# Altium PCB SDR_V21.PcbDoc (part 1 of 4) (continued)
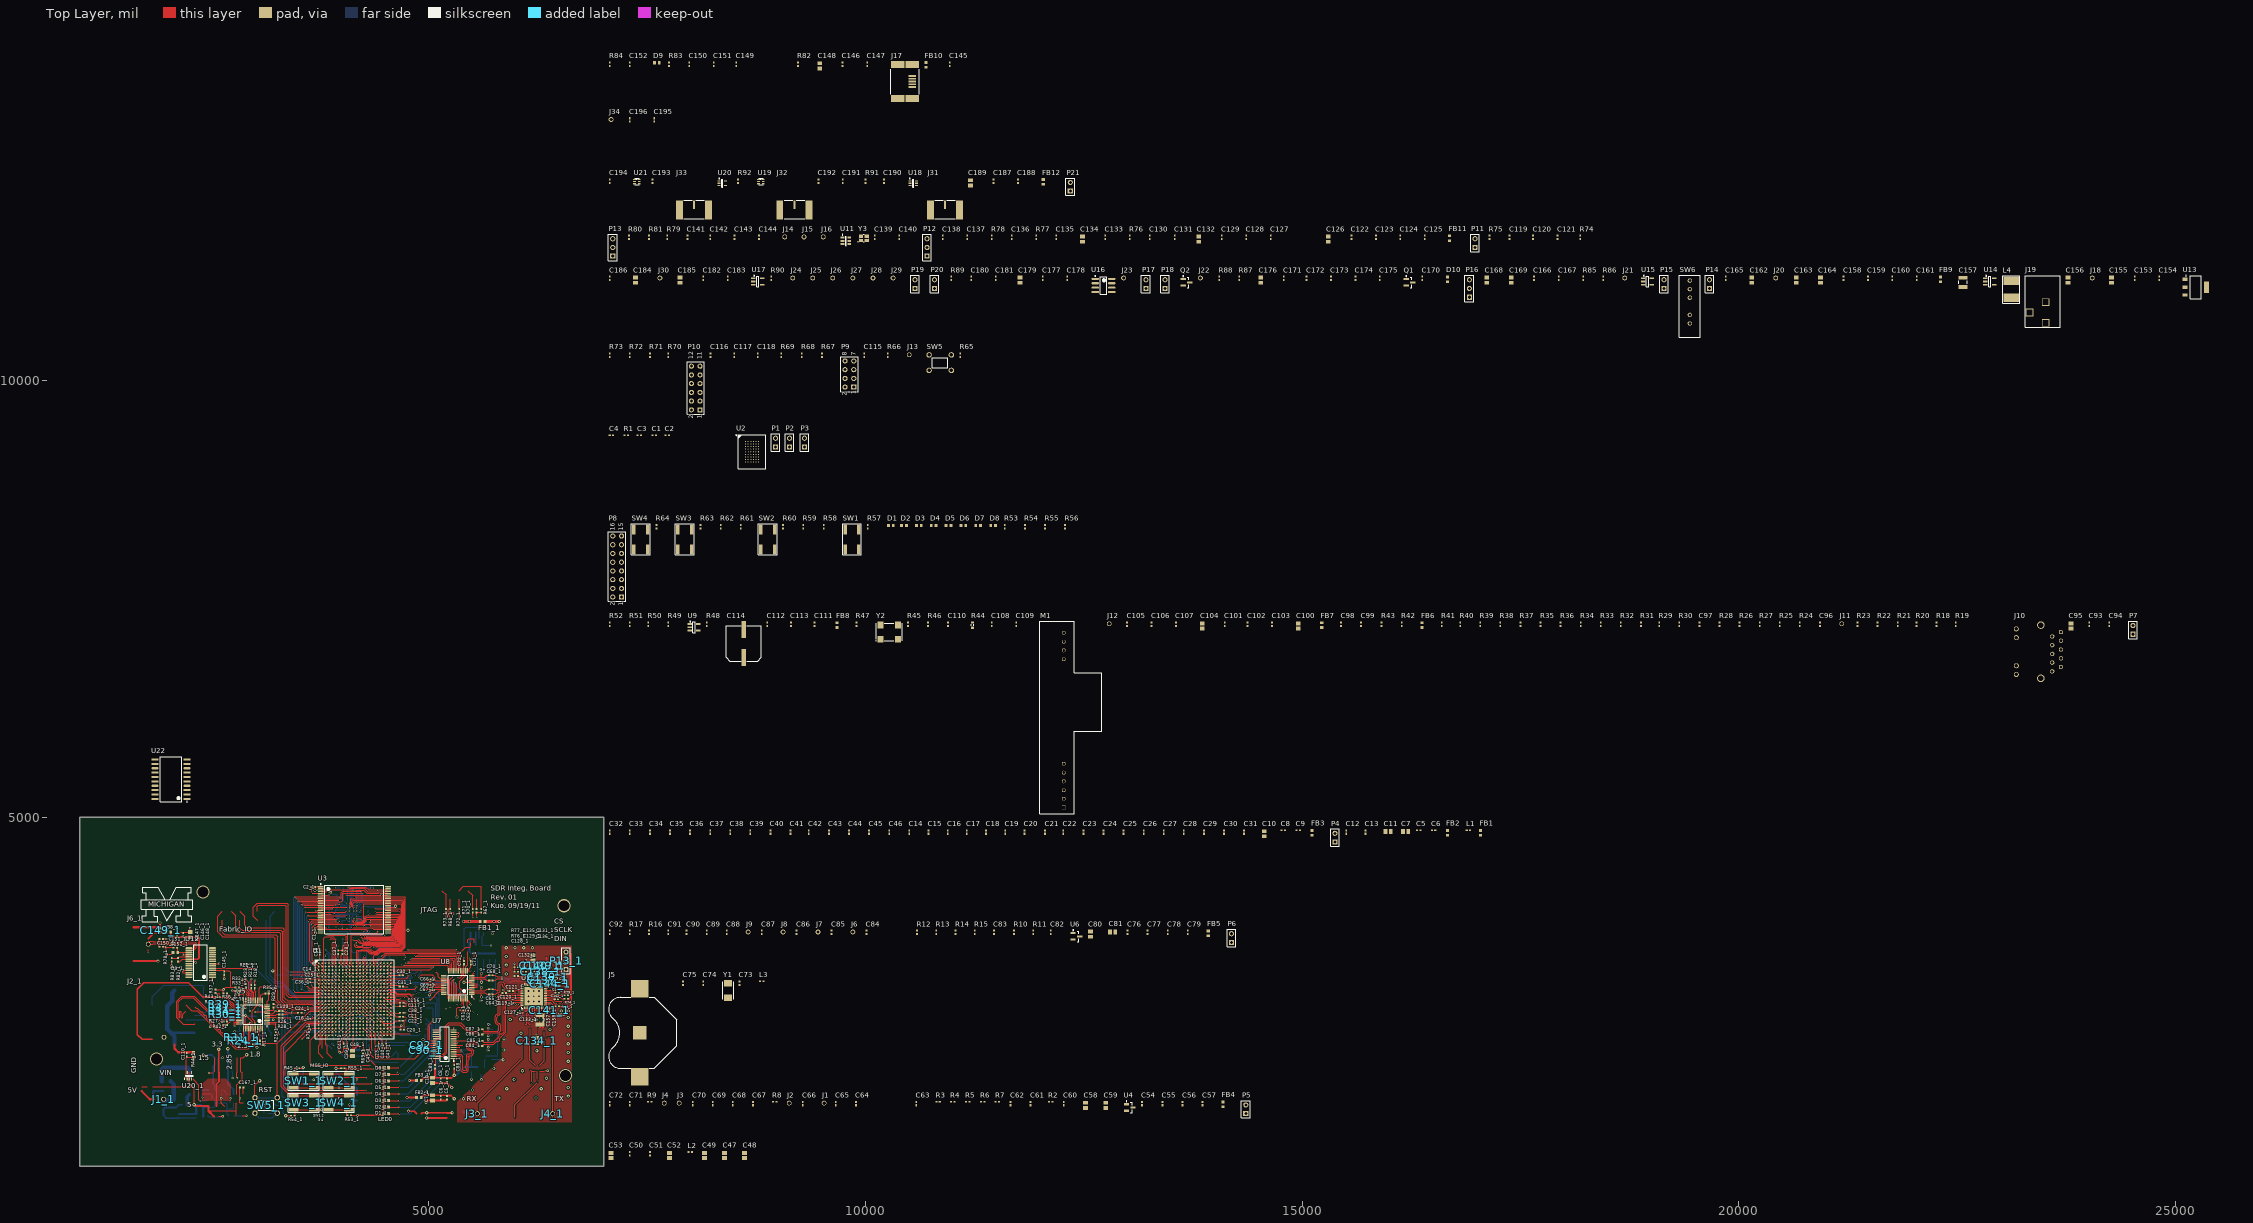
[diagram p0: Top Layer view]
## Design rules (kind name [scope] priority, off if disabled: settings) (continued)
RoomDefinition U_Analog [InComponentClass('U_Analog')] p11 off: confinementstyle=ConfineIn formatcopy=TRUE lockcomponents=FALSE outline 0,0 2000,0 2000,1000 0,1000
RoutingVias "RoutingVias~Sunstone Circuits" [All] p1: holewidth=6 width=16 viastyle="Through Hole" minholewidth=6 minwidth=16 maxholewidth=20 maxwidth=40 // Sunstone Circuits Routing Vias Rule (MLB~4&6 Layer Designs)
ShortCircuit "ShortCircuit~Sunstone Circuits" [All] p1: allowed=FALSE // Sunstone Circuits Short Circuit Rule~Do Not Allow (MLB~4&6 Layer Designs)
SilkscreenOverComponentPads [All] p1 off: minsilkscreentomaskgap=10
SolderMaskExpansion "Test Point" [(InNet('LD') OR InNet('CLKOUT') or InNet('NRESET'))] p1: expansion=3
SolderMaskExpansion "tented vias" [IsVia] p2: expansion=-20 // Sunstone Circuits Solder Mask Expansion Rule (MLB~4&6 Layer Designs)
SolderMaskExpansion "SolderMaskExpansion~Sunstone Circuits" [All] p3: expansion=3 // Sunstone Circuits Solder Mask Expansion Rule (MLB~4&6 Layer Designs)
ViasUnderSMD "ViasUnderSMD~Sunstone Circuits" [All] p1: allowed=FALSE // Sunstone Circuits Vias Under SMD~Do Not Allow (MLB~4&6 Layer Designs)
Width 50ohm [(InNet('RF_RX_ALT') OR InNet('RF_TX_ALT') OR InNet('RF_SW_UB'))] p1 off: maxlimit=10 minlimit=10 preferedwidth=10 impedancedriven=TRUE minimp=50.000000 maximp=50.000000 favimp=50.000000
Width DiffPair_Ethernet_TXWidth [InDifferentialPair('TD')] p2: maxlimit=10 minlimit=8 preferedwidth=8
Width DiffPair_EthernetWidth [InDifferentialPair('RD')] p3: maxlimit=10 minlimit=8 preferedwidth=10 toplayer_prefwidth=8 midlayer1_minwidth=10 midlayer2_minwidth=10 midlayer3_minwidth=10 midlayer4_minwidth=10 bottomlayer_minwidth=10 minimp=50.000000 maximp=50.000000 favimp=50.000000
Width DiffPair_ADC_RXWidth [InDifferentialPair('ADC_RX_Q') Or InDifferentialPair('ADC_RX_I')] p4: maxlimit=10 minlimit=10 preferedwidth=10
Width DiffPair_DAC_TXWidth [InDifferentialPair('RF_TX_Q') Or InDifferentialPair('RF_TX_I')] p5: maxlimit=10 minlimit=10 preferedwidth=10
Width DiffPair_DAC_biasWidth [InDifferentialPair('RF_TX_I_BIAS') Or InDifferentialPair('RF_TX_Q_BIAS')] p6: maxlimit=10 minlimit=10 preferedwidth=10
Width "Width~Sunstone Circuits" [All] p7: maxlimit=100 minlimit=5 preferedwidth=5 // Sunstone Circuits Minimum Width Rule (MLB~4&6 Layer Designs)
21 further rules are at their usual default settings.

## Classes and differential pairs
net class EMC_DB[15..0]: EMC_DB0 EMC_DB1 EMC_DB2 EMC_DB3 EMC_DB4 EMC_DB5 EMC_DB6 EMC_DB7 EMC_DB8 EMC_DB9 EMC_DB10 EMC_DB11 EMC_DB12 EMC_DB13 EMC_DB14 EMC_DB15
net class EMC_AB[23..1]: EMC_AB1 EMC_AB2 EMC_AB3 EMC_AB4 EMC_AB5 EMC_AB6 EMC_AB7 EMC_AB8 EMC_AB9 EMC_AB10 EMC_AB11 EMC_AB12 EMC_AB13 EMC_AB14 EMC_AB15 EMC_AB16 EMC_AB17 EMC_AB18 EMC_AB19 EMC_AB20 EMC_AB21 EMC_AB22 EMC_AB23
net class DAC_D[0..7]: DAC_D0 DAC_D1 DAC_D2 DAC_D3 DAC_D4 DAC_D5 DAC_D6 DAC_D7
net class B[1..7]: B1 B2 B3 B4 B5 B6 B7
net class ADC_B[0..7]: ADC_B0 ADC_B1 ADC_B2 ADC_B3 ADC_B4 ADC_B5 ADC_B6 ADC_B7
net class ADC_A[0..7]: ADC_A0 ADC_A1 ADC_A2 ADC_A3 ADC_A4 ADC_A5 ADC_A6 ADC_A7
component class U_usb_uart: C145 C146 C147 C148 C149 C150 C151 C152 D9 FB10 J17 R82 R83 R84 U12
component class U_RTC: C195 C196 J34 U22
component class U_RF: C119 C120 C121 C122 C123 C124 C125 C126 C127 C128 C129 C130 C131 C132 C133 C134 C135 C136 C137 C138 C139 C140 C141 C142 C143 C144 FB11 J14 J15 J16 P11 P12 P13 R74 R75 R76 R77 R78 R79 R80 R81 U10 U11 Y3
component class U_RF_2: C187 C188 C189 C190 C191 C192 C193 C194 FB12 J31 J32 J33 P21 R91 R92 U18 U19 U20 U21
component class U_PWR_Gen: C153 C154 C155 C156 C157 C158 C159 C160 C161 C162 C163 C164 C165 C166 C167 C168 C169 C170 C171 C172 C173 C174 C175 C176 C177 C178 C179 C180 C181 C182 C183 C184 C185 C186 D10 FB9 J18 J19 J20 J21 J22 J23 J24 J25 J26 J27 J28 J29 J30 L4 P14 P15 P16 P17 P18 P19 P20 Q1 Q2 R85 R86 R87 R88 R89 R90 SW6 U13 U14 U15 U16 U17
component class U_MSS_IO: C115 C116 C117 C118 J13 P9 P10 R65 R66 R67 R68 R69 R70 R71 R72 R73 SW5
component class U_MEM: C1 C2 C3 C4 P1 P2 P3 R1 U2 U3
component class U_Fabric_IO: D1 D2 D3 D4 D5 D6 D7 D8 P8 R53 R54 R55 R56 R57 R58 R59 R60 R61 R62 R63 R64 SW1 SW2 SW3 SW4
component class U_Ethernet: C93 C94 C95 C96 C97 C98 C99 C100 C101 C102 C103 C104 C105 C106 C107 C108 C109 C110 C111 C112 C113 C114 FB6 FB7 FB8 J10 J11 J12 M1 P7 R18 R19 R20 R21 R22 R23 R24 R25 R26 R27 R28 R29 R30 R31 R32 R33 R34 R35 R36 R37 R38 R39 R40 R41 R42 R43 R44 R45 R46 R47 R48 R49 R50 R51 R52 U8 U9 Y2
component class U_Digital_PWR: C5 C6 C7 C8 C9 C10 C11 C12 C13 C14 C15 C16 C17 C18 C19 C20 C21 C22 C23 C24 C25 C26 C27 C28 C29 C30 C31 C32 C33 C34 C35 C36 C37 C38 C39 C40 C41 C42 C43 C44 C45 C46 FB1 FB2 FB3 L1 P4 U1
component class U_DAC: C76 C77 C78 C79 C80 C81 C82 C83 C84 C85 C86 C87 C88 C89 C90 C91 C92 FB5 J6 J7 J8 J9 P6 R10 R11 R12 R13 R14 R15 R16 R17 U6 U7
component class U_Analog: C73 C74 C75 J5 L3 Y1
component class U_ADC: C54 C55 C56 C57 C58 C59 C60 C61 C62 C63 C64 C65 C66 C67 C68 C69 C70 C71 C72 FB4 J1 J2 J3 J4 P5 R2 R3 R4 R5 R6 R7 R8 R9 U4 U5
component class U_ACE: C47 C48 C49 C50 C51 C52 C53 L2
differential pair USB_D: +USB_D_P -USB_D_N
differential pair TXRF: +TXRF_P -TXRF_N
differential pair TXRF_C: +TXRF_C_P -TXRF_C_N
differential pair TD: +TD_P -TD_N
differential pair RXRF: +RXRF_P -RXRF_N
differential pair RF_TX_Q: +RF_TX_Q_P -RF_TX_Q_N
differential pair RF_TX_Q_BIAS: +RF_TX_Q_BIAS_P -RF_TX_Q_BIAS_N
differential pair RF_TX_I: +RF_TX_I_P -RF_TX_I_N
differential pair RF_TX_I_BIAS: +RF_TX_I_BIAS_P -RF_TX_I_BIAS_N
differential pair RD: +RD_P -RD_N
differential pair ADC_RX_Q: +ADC_RX_Q_P -ADC_RX_Q_N
differential pair ADC_RX_Q_BIAS: +ADC_RX_Q_BIAS_P -ADC_RX_Q_BIAS_N
differential pair ADC_RX_I: +ADC_RX_I_P -ADC_RX_I_N
differential pair ADC_RX_I_BIAS: +ADC_RX_I_BIAS_P -ADC_RX_I_BIAS_N

## Components (designator, comment, footprint, x,y, rotation, side; value= is the part's Value field where it differs from the comment)
C1 "Cap Semi" 0402 7580,9375 r0 top
C1_1 "Cap Semi" 0402 3690,3705 r90 top (schematic designator C1)
C2 "Cap Semi" 0402 7730,9375 r0 top
C2_1 "Cap Semi" 0402 3675,4200 r0 top (schematic designator C2)
C3 "Cap Semi" 0402 7410,9375 r0 top
C3_1 "Cap Semi" 0402 4305,3955 r90 bottom (schematic designator C3)
C4 "Cap Semi" 0402 7090,9375 r0 top
C4_1 "Cap Semi" 0402 3905,3925 r0 bottom (schematic designator C4)
C5 "Cap Semi" 0402 16335,4850 r0 top
C5_1 "Cap Semi" 0402 5205,1785 r90 top (schematic designator C5)
C6 "Cap Semi" 0402 16505,4850 r0 top
C6_1 "Cap Semi" 0402 5135,1785 r90 top (schematic designator C6)
C7 "Cap Pol3" C0805 16185,4835 r0 top
C7_1 "Cap Pol3" C0805 5040,1785 r270 top (schematic designator C7)
C8 "Cap Semi" 0402 14785,4850 r0 top
C8_1 "Cap Semi" 0402 5135,1985 r90 top (schematic designator C8)
C9 "Cap Semi" 0402 14955,4850 r0 top
C9_1 "Cap Semi" 0402 5205,1985 r90 top (schematic designator C9)
C10 "Cap Pol3" C0805 14565,4810 r90 top
C10_1 "Cap Pol3" C0805 5040,1985 r270 top (schematic designator C10)
C11 "Cap Pol3" C0805 15985,4835 r0 top
C11_1 "Cap Pol3" C0805 3320,3235 r90 bottom (schematic designator C11)
C12 "Cap Semi" 0402 15505,4830 r90 top
C12_1 "Cap Semi" 0402 3390,3215 r270 bottom (schematic designator C12)
C13 "Cap Semi" 0402 15725,4830 r90 top
C13_1 "Cap Semi" 0402 3680,3245 r270 bottom (schematic designator C13)
C14 "Cap Semi" 0402 10500,4830 r90 top
C14_1 "Cap Semi" 0402 3600,3225 r0 top (schematic designator C14)
C15 "Cap Semi" 0402 10720,4830 r90 top
C15_1 "Cap Semi" 0402 3910,2425 r90 bottom (schematic designator C15)
C16 "Cap Semi" 0402 10940,4830 r90 top
C16_1 "Cap Semi" 0402 3615,2690 r0 top (schematic designator C16)
C17 "Cap Semi" 0402 11160,4830 r90 top
C17_1 "Cap Semi" 0402 3645,2560 r0 bottom (schematic designator C17)
C18 "Cap Semi" 0402 11380,4830 r90 top
C18_1 "Cap Semi" 0402 3750,3450 r270 top (schematic designator C18)
C19 "Cap Semi" 0402 11600,4830 r90 top
C19_1 "Cap Semi" 0402 4180,3435 r270 bottom (schematic designator C19)
C20 "Cap Semi" 0402 11820,4830 r90 top
C20_1 "Cap Semi" 0402 4695,2565 r180 top (schematic designator C20)
C21 "Cap Semi" 0402 12055,4830 r90 top
C21_1 "Cap Semi" 0402 4685,2715 r180 top (schematic designator C21)
C22 "Cap Semi" 0402 12265,4830 r90 top
C22_1 "Cap Semi" 0402 4680,2670 r180 top (schematic designator C22)
C23 "Cap Semi" 0402 12495,4830 r90 top
C23_1 "Cap Semi" 0402 4425,2380 r90 top (schematic designator C23)
C24 "Cap Semi" 0402 12725,4830 r90 top
C24_1 "Cap Semi" 0402 3520,2760 r0 top (schematic designator C24)
C25 "Cap Semi" 0402 12955,4830 r90 top
C25_1 "Cap Semi" 0402 3615,3150 r0 top (schematic designator C25)
C26 "Cap Semi" 0402 13185,4830 r90 top
C26_1 "Cap Semi" 0402 3625,2875 r0 bottom (schematic designator C26)
C27 "Cap Semi" 0402 13415,4830 r90 top
C27_1 "Cap Semi" 0402 3615,2660 r0 bottom (schematic designator C27)
C28 "Cap Semi" 0402 13645,4830 r90 top
C28_1 "Cap Semi" 0402 4010,3455 r270 top (schematic designator C28)
C29 "Cap Semi" 0402 13875,4830 r90 top
C29_1 "Cap Semi" 0402 4530,3405 r180 bottom (schematic designator C29)
C30 "Cap Semi" 0402 14105,4830 r90 top
C30_1 "Cap Semi" 0402 4680,3190 r180 top (schematic designator C30)
C31 "Cap Semi" 0402 14335,4830 r90 top
C31_1 "Cap Semi" 0402 4685,3060 r180 top (schematic designator C31)
C32 "Cap Semi" 0402 7070,4830 r90 top
C32_1 "Cap Semi" 0402 3995,2420 r90 bottom (schematic designator C32)
C33 "Cap Semi" 0402 7300,4830 r90 top
C33_1 "Cap Semi" 0402 4090,2420 r90 bottom (schematic designator C33)
C34 "Cap Semi" 0402 7530,4830 r90 top
C34_1 "Cap Semi" 0402 4140,2420 r90 bottom (schematic designator C34)
C35 "Cap Semi" 0402 7760,4830 r90 top
C35_1 "Cap Semi" 0402 4315,2420 r90 bottom (schematic designator C35)
C36 "Cap Semi" 0402 7990,4830 r90 top
C36_1 "Cap Semi" 0402 3615,3110 r0 top (schematic designator C36)
C37 "Cap Semi" 0402 8220,4830 r90 top
C37_1 "Cap Semi" 0402 3960,3455 r270 top (schematic designator C37)
C38 "Cap Semi" 0402 8450,4830 r90 top
C38_1 "Cap Semi" 0402 4690,2760 r180 top (schematic designator C38)
C39 "Cap Semi" 0402 8680,4830 r90 top
C39_1 "Cap Semi" 0402 4065,2375 r90 top (schematic designator C39)
C40 "Cap Semi" 0402 8910,4830 r90 top
C40_1 "Cap Semi" 0402 4465,2380 r90 top (schematic designator C40)
C41 "Cap Semi" 0402 9140,4830 r90 top
C41_1 "Cap Semi" 0402 4025,2385 r90 top (schematic designator C41)
C42 "Cap Semi" 0402 9350,4830 r90 top
C42_1 "Cap Semi" 0402 4220,2440 r90 bottom (schematic designator C42)
C43 "Cap Semi" 0402 9580,4830 r90 top
C43_1 "Cap Semi" 0402 4510,2380 r90 top (schematic designator C43)
C44 "Cap Semi" 0402 9810,4830 r90 top
C44_1 "Cap Semi" 0402 3955,2425 r90 bottom (schematic designator C44)
C45 "Cap Semi" 0402 10040,4830 r90 top
C45_1 "Cap Semi" 0402 4300,2310 r90 top (schematic designator C45)
C46 "Cap Semi" 0402 10270,4830 r90 top
C46_1 "Cap Semi" 0402 4385,2415 r90 bottom (schematic designator C46)
C47 "Cap Pol3" C0805 8385,1125 r90 top
C47_1 "Cap Pol3" C0805 4035,2295 r270 bottom (schematic designator C47)
C48 "Cap Pol3" C0805 8615,1125 r90 top
C48_1 "Cap Pol3" C0805 4125,2295 r270 top (schematic designator C48)
C49 "Cap Pol3" C0805 8155,1125 r90 top
C49_1 "Cap Pol3" C0805 4295,2295 r270 bottom (schematic designator C49)
C50 "Cap Semi" 0402 7300,1145 r90 top
C50_1 "Cap Semi" 0402 4350,3410 r270 bottom (schematic designator C50)
C51 "Cap Semi" 0402 7530,1145 r90 top
C51_1 "Cap Semi" 0402 4435,3525 r270 bottom (schematic designator C51)
C52 "Cap Pol3" C0805 7755,1125 r90 top
C52_1 "Cap Pol3" C0805 4510,3540 r90 bottom (schematic designator C52)
C53 "Cap Pol3" C0805 7085,1125 r90 top
C53_1 "Cap Pol3" C0805 4185,2295 r270 bottom (schematic designator C53)
C54 "Cap Semi" 0402 13165,1720 r90 top
C54_1 "Cap Semi" 0402 1960,1810 r270 bottom (schematic designator C54)
C55 "Cap Semi" 0402 13400,1720 r90 top
C56 "Cap Semi" 0402 13630,1720 r90 top
C57 "Cap Semi" 0402 13860,1720 r90 top
C58 "Cap Pol3" C0805 12520,1700 r90 top
C59 "Cap Pol3" C0805 12750,1700 r90 top
C60 "Cap Semi" 0402 12270,1720 r90 top
C60_1 "Cap Semi" 0402 5625,3710 r270 bottom (schematic designator C60)
C61 "Cap Semi" 0402 11890,1720 r90 top
C61_1 "Cap Semi" 0402 5395,2805 r270 top (schematic designator C61)
C62 "Cap Semi" 0402 11660,1720 r90 top
C62_1 "Cap Semi" 0402 5450,2805 r90 top (schematic designator C62)
C63 "Cap Semi" 0402 10580,1720 r90 top
C63_1 "Cap Semi" 0402 5435,3510 r0 bottom (schematic designator C63)
C64 "Cap Semi" 0402 9890,1720 r90 top
C64_1 "Cap Semi" 0402 5710,2970 r180 top (schematic designator C64)
C65 "Cap Semi" 0402 9660,1720 r90 top
C65_1 "Cap Semi" 0402 5710,3030 r180 top (schematic designator C65)
C66 "Cap Semi" 0402 9280,1720 r90 top
C66_1 "Cap Semi" 0402 5040,3140 r0 top (schematic designator C66)
C67 "Cap Semi" 0402 8710,1720 r90 top
C67_1 "Cap Semi" 0402 5040,3080 r0 top (schematic designator C67)
C68 "Cap Semi" 0402 8480,1720 r90 top
C68_1 "Cap Semi" 0402 5710,3130 r180 top (schematic designator C68)
C69 "Cap Semi" 0402 8250,1720 r90 top
C69_1 "Cap Semi" 0402 5040,3020 r0 top (schematic designator C69)
C70 "Cap Semi" 0402 8020,1720 r90 top
C70_1 "Cap Semi" 0402 5710,3190 r180 top (schematic designator C70)
C71 "Cap Semi" 0402 7300,1720 r90 top
C71_1 "Cap Semi" 0402 5480,3330 r270 top (schematic designator C71)
C72 "Cap Semi" 0402 7070,1720 r90 top
C72_1 "Cap Semi" 0402 5400,3335 r270 top (schematic designator C72)
C73 "Cap Semi" 0402 8555,3100 r90 top
C73_1 "Cap Semi" 0402 3645,2790 r90 bottom (schematic designator C73)
C74 "Cap Semi" 0402 8140,3100 r90 top
C74_1 "Cap Semi" 0402 4445,2220 r90 bottom (schematic designator C74)
C75 "Cap Semi" 0402 7910,3100 r90 top
C75_1 "Cap Semi" 0402 4650,2215 r90 bottom (schematic designator C75)
C76 "Cap Semi" 0402 13000,3680 r90 top
C77 "Cap Semi" 0402 13230,3680 r90 top
C78 "Cap Semi" 0402 13460,3680 r90 top
C79 "Cap Semi" 0402 13690,3680 r90 top
C80 "Cap Pol3" C0805 12575,3660 r90 top
C81 "Cap Pol3" C0805 12830,3685 r0 top
C82 "Cap Semi" 0402 12120,3680 r90 top
C82_1 "Cap Semi" 0402 5490,2110 r90 bottom (schematic designator C82)
C83 "Cap Semi" 0402 11470,3680 r90 top
C83_1 "Cap Semi" 0402 5790,2250 r90 bottom (schematic designator C83)
C84 "Cap Semi" 0402 10010,3680 r90 top
C84_1 "Cap Semi" 0402 5590,2380 r0 top (schematic designator C84)
C85 "Cap Semi" 0402 9610,3680 r90 top
C85_1 "Cap Semi" 0402 5590,2440 r0 top (schematic designator C85)
C86 "Cap Semi" 0402 9210,3680 r90 top
C86_1 "Cap Semi" 0402 5590,2510 r0 top (schematic designator C86)
C87 "Cap Semi" 0402 8810,3680 r90 top
C87_1 "Cap Semi" 0402 5590,2570 r0 top (schematic designator C87)
C88 "Cap Semi" 0402 8410,3680 r90 top
C88_1 "Cap Semi" 0402 5290,2140 r90 top (schematic designator C88)
C89 "Cap Semi" 0402 8180,3680 r90 top
C89_1 "Cap Semi" 0402 5070,2140 r90 top (schematic designator C89)
C90 "Cap Semi" 0402 7950,3680 r90 top
C90_1 "Cap Semi" 0402 4960,2330 r0 top (schematic designator C90)
C91 "Cap Semi" 0402 7740,3680 r90 top
C91_1 "Cap Semi" 0402 5425,2310 r270 bottom (schematic designator C91)
C92 "Cap Semi" 0402 7070,3680 r90 top
C92_1 "Cap Semi" 0402 4975,2387.5 r180 top (schematic designator C92)
C93 "Cap Semi" 0402 24015,7210 r90 top
C94 "Cap Semi" 0402 24245,7210 r90 top
C95 "Cap Pol3" C0805 23805,7190 r90 top
C96 "Cap Semi" 0402 20930,7210 r90 top
C96_1 "Cap Semi" 0402 2465,2680 r180 bottom (schematic designator C96)
C97 "Cap Semi" 0402 19550,7210 r90 top
C97_1 "Cap Semi" 0402 2465,2740 r180 bottom (schematic designator C97)
C98 "Cap Semi" 0402 15445,7210 r90 top
C98_1 "Cap Semi" 0402 3065,2770 r0 bottom (schematic designator C98)
C99 "Cap Semi" 0402 15675,7210 r90 top
C99_1 "Cap Semi" 0402 3065,2810 r0 bottom (schematic designator C99)
C100 "Cap Pol3" C0805 14955,7190 r90 top
C100_1 "Cap Pol3" C0805 3165,2500 r0 bottom (schematic designator C100)
C101 "Cap Semi" 0402 14115,7210 r90 top
C101_1 "Cap Semi" 0402 3145,2680 r180 bottom (schematic designator C101)
C102 "Cap Semi" 0402 14375,7210 r90 top
C102_1 "Cap Semi" 0402 3145,2625 r180 bottom (schematic designator C102)
C103 "Cap Semi" 0402 14655,7210 r90 top
C103_1 "Cap Semi" 0402 3145,2560 r180 bottom (schematic designator C103)
C104 "Cap Pol3" C0805 13855,7190 r90 top
C104_1 "Cap Pol3" C0805 2860.31,2545 r180 bottom (schematic designator C104)
C105 "Cap Semi" 0402 12995,7210 r90 top
C105_1 "Cap Semi" 0402 2880.31,2685 r0 bottom (schematic designator C105)
C106 "Cap Semi" 0402 13275,7210 r90 top
C106_1 "Cap Semi" 0402 2880,2775 r0 bottom (schematic designator C106)
C107 "Cap Semi" 0402 13555,7210 r90 top
C107_1 "Cap Semi" 0402 2880,2625 r0 bottom (schematic designator C107)
C108 "Cap Semi" 0402 11445,7210 r90 top
C108_1 "Cap Semi" 0402 2805,2970 r0 top (schematic designator C108)
C109 "Cap Semi" 0402 11725,7210 r90 top
C109_1 "Cap Semi" 0402 3305,2780 r180 top (schematic designator C109)
C110 "Cap Semi" 0402 10945,7210 r90 top
C110_1 "Cap Semi" 0402 2225,2280 r90 top (schematic designator C110)
C111 "Cap Semi" 0402 9415,7210 r90 top
C112 "Cap Semi" 0402 8875,7210 r90 top
C113 "Cap Semi" 0402 9145,7210 r90 top
C114 "Cap" "SMT Al Cap." 8605,6990 r0 top
C115 "Cap Semi" 0402 9985,10290 r90 top
C115_1 "Cap Semi" 0402 3070,1765 r90 bottom (schematic designator C115)
C116 "Cap Semi" 0402 8225,10290 r90 top
C116_1 "Cap Semi" 0402 4690,2875 r180 top (schematic designator C116)
C117 "Cap Semi" 0402 8495,10290 r90 top
C117_1 "Cap Semi" 0402 4690,2835 r180 top (schematic designator C117)
C118 "Cap Semi" 0402 8765,10290 r90 top
C118_1 "Cap Semi" 0402 4660,2890 r180 bottom (schematic designator C118)
C119 "Cap Semi" 0402 17375,11640 r90 top
C119_1 "Cap Semi" 0402 5940,2870 r180 top (schematic designator C119)
C120 "Cap Semi" 0402 17645,11640 r90 top
C120_1 "Cap Semi" 0402 5860,2985 r180 top (schematic designator C120)
C121 "Cap Semi" 0402 17925,11640 r90 top
C121_1 "Cap Semi" 0402 5940,3010 r180 top (schematic designator C121)
C122 "Cap Semi" 0402 15565,11640 r90 top
C123 "Cap Semi" 0402 15845,11640 r90 top
C124 "Cap Semi" 0402 16125,11640 r90 top
C125 "Cap Semi" 0402 16405,11640 r90 top
C126 "Cap Pol3" C0805 15300,11620 r90 top
C127 "Cap Semi" 0402 14640,11640 r90 top
C127_1 "Cap Semi" 0402 6040,2760 r0 top (schematic designator C127)
C128 "Cap Semi" 0402 14360,11640 r90 top
C128_1 "Cap Semi" 0402 6000,3180 r180 top (schematic designator C128)
C129 "Cap Semi" 0402 14080,11640 r90 top
C129_1 "Cap Semi" 0402 6090,3230 r0 top (schematic designator C129)
C130 "Cap Semi" 0402 13255,11640 r90 top
C130_1 "Cap Semi" 0402 6360,3170 r180 top (schematic designator C130)
C131 "Cap Semi" 0402 13540,11640 r90 top
C131_1 "Cap Semi" 0402 6190,3280 r0 top (schematic designator C131)
C132 "Cap Pol3" C0805 13815,11620 r90 top
C132_1 "Cap Pol3" C0805 6190,3390 r90 top (schematic designator C132)
C133 "Cap Semi" 0402 12745,11640 r90 top
C133_1 "Cap Semi" 0402 6210,2680 r0 top (schematic designator C133)
C134 "Cap Pol3" C0805 12485,11620 r90 top
C134_1 "Cap Pol3" C0805 6235,2440 r270 top (schematic designator C134)
C135 "Cap Semi" 0402 12185,11640 r90 top
C135_1 "Cap Semi" 0402 6090,3280 r0 top (schematic designator C135)
C136 "Cap Semi" 0402 11675,11640 r90 top
C136_1 "Cap Semi" 0402 6190,3230 r0 top (schematic designator C136)
C137 "Cap Semi" 0402 11165,11640 r90 top
C137_1 "Cap Semi" 0402 6360,3130 r180 top (schematic designator C137)
C138 "Cap Semi" 0402 10885,11640 r90 top
C138_1 "Cap Semi" 0402 6280,3230 r180 top (schematic designator C138)
C139 "Cap Semi" 0402 10105,11640 r90 top
C139_1 "Cap Semi" 0402 6320,3300 r270 top (schematic designator C139)
C140 "Cap Semi" 0402 10385,11640 r90 top
C140_1 "Cap Semi" 0402 6270,3300 r270 top (schematic designator C140)
C141 "Cap Semi" 0402 7960,11640 r90 top
C141_1 "Cap Semi" 0402 6380,2790 r90 top (schematic designator C141)
C142 "Cap Semi" 0402 8220,11640 r90 top
C142_1 "Cap Semi" 0402 6460,2915 r180 top (schematic designator C142)
C143 "Cap Semi" 0402 8500,11640 r90 top
C143_1 "Cap Semi" 0402 6470,2990 r180 top (schematic designator C143)
C144 "Cap Semi" 0402 8780,11640 r90 top
C144_1 "Cap Semi" 0402 6390,3090 r180 top (schematic designator C144)
C145 "Cap Semi" 0402 10965,13625 r90 top
C145_1 "Cap Semi" 0402 2655,3215 r90 top (schematic designator C145)
C146 "Cap Semi" 0402 9735,13625 r90 top
C146_1 "Cap Semi" 0402 2185,3655 r270 top (schematic designator C146)
C147 "Cap Semi" 0402 10020,13625 r90 top
C147_1 "Cap Semi" 0402 2115,3655 r270 top (schematic designator C147)
C148 "Cap Pol3" C0805 9475,13605 r90 top
C148_1 "Cap Pol3" C0805 2265,3655 r90 top (schematic designator C148)
C149 "Cap Semi" 0402 8520,13625 r90 top
C149_1 "Cap Semi" 0402 1925,3705 r270 top (schematic designator C149)
C150 "Cap Semi" 0402 7980,13625 r90 top
C150_1 "Cap Semi" 0402 1935,3515 r180 top (schematic designator C150)
C151 "Cap Semi" 0402 8260,13625 r90 top
C151_1 "Cap Semi" 0402 1935,3605 r180 top (schematic designator C151)
C152 "Cap Semi" 0402 7300,13625 r90 top
C152_1 "Cap Semi" 0402 2095,3505 r0 top (schematic designator C152)
C153 "Cap Semi" 0402 24535,11170 r90 top
C154 "Cap Semi" 0402 24815,11170 r90 top
C155 "Cap Pol3" C0805 24270,11150 r90 top
C156 "Cap Pol3" C0805 23770,11150 r90 top
C157 "Cap Semi" C1210 22570,11125 r90 top
C157_1 "Cap Semi" C1210 6270,2680 r270 top (schematic designator C157)
C158 "Cap Semi" 0402 21200,11170 r90 top
C158_1 "Cap Semi" 0402 6310,2680 r270 top (schematic designator C158)
C159 "Cap Semi" 0402 21480,11170 r90 top
C160 "Cap Semi" 0402 21760,11170 r90 top
C161 "Cap Semi" 0402 22040,11170 r90 top
C162 "Cap Pol3" C0805 20150,11150 r90 top
C163 "Cap Pol3" C0805 20660,11150 r90 top
C164 "Cap Pol3" C0805 20935,11150 r90 top
C165 "Cap Semi" 0402 19850,11170 r90 top
C166 "Cap Semi" 0402 17655,11170 r90 top
C167 "Cap Semi" 0402 17940,11170 r90 top
C167_1 "Cap Semi" 0402 2855,1905 r0 top (schematic designator C167)
C168 "Cap Pol3" C0805 17115,11150 r90 top
C168_1 "Cap Pol3" C0805 2405,1855 r90 bottom (schematic designator C168)
C169 "Cap Pol3" C0805 17395,11150 r90 top
C169_1 "Cap Pol3" C0805 2625,1850 r90 bottom (schematic designator C169)
C170 "Cap Semi" 0402 16375,11170 r90 top
C171 "Cap Semi" 0402 14790,11170 r90 top
C172 "Cap Semi" 0402 15050,11170 r90 top
C173 "Cap Semi" 0402 15330,11170 r90 top
C174 "Cap Semi" 0402 15610,11170 r90 top
C175 "Cap Semi" 0402 15890,11170 r90 top
C176 "Cap Pol3" C0805 14525,11150 r90 top
C177 "Cap Semi" 0402 12030,11170 r90 top
C178 "Cap Semi" 0402 12310,11170 r90 top
C179 "Cap Pol3" C0805 11770,11150 r90 top
C180 "Cap Semi" 0402 11210,11170 r90 top
C181 "Cap Semi" 0402 11490,11170 r90 top
C182 "Cap Semi" 0402 8140,11170 r90 top
C183 "Cap Semi" 0402 8420,11170 r90 top
C184 "Cap Pol3" C0805 7365,11150 r90 top
C185 "Cap Pol3" C0805 7875,11150 r90 top
C186 "Cap Semi" 0402 7070,11170 r90 top
C187 "Cap Semi" 0402 11465,12285 r90 top
C188 "Cap Semi" 0402 11745,12285 r90 top
C189 "Cap Pol3" C0805 11200,12265 r90 top
C190 "Cap Semi" 0402 10210,12285 r90 top
C191 "Cap Semi" 0402 9740,12285 r90 top
C192 "Cap Semi" 0402 9460,12285 r90 top
C193 "Cap Semi" 0402 7560,12285 r90 top
C194 "Cap Semi" 0402 7070,12285 r90 top
C195 "Cap Semi" 0402 7580,12985 r90 top
C196 "Cap Semi" 0402 7300,12985 r90 top
D1 "LED2" 1608[0603] 10290,8340 r0 top
D1_1 "LED2" 1608[0603] 4510,1605 r0 top (schematic designator D1)
D2 "LED2" 1608[0603] 10440,8340 r0 top
D2_1 "LED2" 1608[0603] 4510,1680 r0 top (schematic designator D2)
D3 "LED2" 1608[0603] 10610,8340 r0 top
D3_1 "LED2" 1608[0603] 4510,1755 r0 top (schematic designator D3)
D4 "LED2" 1608[0603] 10780,8340 r0 top
D4_1 "LED2" 1608[0603] 4510,1830 r0 top (schematic designator D4)
D5 "LED2" 1608[0603] 10950,8340 r0 top
D5_1 "LED2" 1608[0603] 4510,1905 r0 top (schematic designator D5)
D6 "LED2" 1608[0603] 11120,8340 r0 top
D6_1 "LED2" 1608[0603] 4510,1980 r0 top (schematic designator D6)
D7 "LED2" 1608[0603] 11290,8340 r0 top
D7_1 "LED2" 1608[0603] 4510,2055 r0 top (schematic designator D7)
D8 "LED2" 1608[0603] 11460,8340 r0 top
D8_1 "LED2" 1608[0603] 4510,2130 r0 top (schematic designator D8)
D9 "LED2" 1608[0603] 7610,13640 r0 top
D9_1 "LED2" 1608[0603] 2095,3450 r180 top (schematic designator D9)
D10 "LED2" 1608[0603] 16665,11160 r90 top
FB1 "BLM18PG300SN1D" 1608[0603] 17045,4820 r90 top
FB1_1 "BLM18PG300SN1D" 1608[0603] 5615,3805 r180 top (schematic designator FB1)
FB2 "BLM18PG300SN1D" 1608[0603] 16665,4820 r90 top
FB2_1 "BLM18PG300SN1D" 1608[0603] 4885,1790 r0 top (schematic designator FB2)
FB3 "BLM18PG300SN1D" 1608[0603] 15115,4820 r90 top
FB3_1 "BLM18PG300SN1D" 1608[0603] 4885,1985 r0 top (schematic designator FB3)
FB4 "BLM18PG300SN1D" 1608[0603] 14095,1710 r90 top
FB5 "BLM18PG300SN1D" 1608[0603] 13925,3670 r90 top
FB5_1 "BLM18PG300SN1D" 1608[0603] 3045,2720 r180 bottom (schematic designator FB5)
FB6 "BLM18PG300SN1D" 1608[0603] 16375,7200 r90 top
FB7 "BLM18PG300SN1D" 1608[0603] 15225,7200 r90 top
FB7_1 "BLM18PG300SN1D" 1608[0603] 3025,2500 r180 bottom (schematic designator FB7)
FB8 "BLM18PG300SN1D" 1608[0603] 9675,7200 r90 top
FB8_1 "BLM18PG300SN1D" 1608[0603] 2015,3685 r0 top (schematic designator FB8)
FB9 "BLM18PG300SN1D" 1608[0603] 22310,11160 r90 top
FB10 "BLM18PG300SN1D" 1608[0603] 10690,13615 r90 top
FB11 "BLM18PG300SN1D" 1608[0603] 16690,11630 r90 top
FB12 "BLM18PG300SN1D" 1608[0603] 12035,12275 r90 top
J1 "5004" TestPoint 9525,1725 r0 top
J1_1 "5004" TestPoint 1960,1770 r90 top (schematic designator J1)
J2 "5004" TestPoint 9125,1725 r0 top
J2_1 "5004" TestPoint 1965,2480 r90 top (schematic designator J2)
J3 "5004" TestPoint 7865,1725 r0 top
J3_1 "5004" TestPoint 5555,1605 r180 top (schematic designator J3)
J4 "5004" TestPoint 7695,1725 r0 top
J4_1 "5004" TestPoint 6415,1605 r180 top (schematic designator J4)
J5 "3002TR" 3002TR 7415,2530 r90 top
J6 "5004" TestPoint 9855,3685 r0 top
J6_1 "5004" TestPoint 1785,3545 r0 top (schematic designator J6)
J7 "5004" TestPoint 9455,3685 r0 top
J8 "5004" TestPoint 9055,3685 r0 top
J9 "5004" TestPoint 8655,3685 r0 top
J10 "7499211121A" 7499211121A 23340,6670 r90 top
J11 "5004" TestPoint 21180,7215 r0 top
J12 "5004" TestPoint 12790,7215 r90 top
J13 "5004" TestPoint 10500,10295 r90 top
J14 "5004" TestPoint 9075,11645 r90 top
J15 "5004" TestPoint 9295,11645 r90 top
J16 "5004" TestPoint 9515,11645 r90 top
J17 "54819-0572" "Mini USB" 10535,13425 r0 top
J18 "5004" TestPoint 24050,11175 r90 top
J19 "PJ-102AH" PJ-102AH 23515,10780 r0 top
J20 "5004" TestPoint 20425,11175 r90 top
J21 "5004" TestPoint 18695,11175 r0 top
J22 "5004" TestPoint 13835,11175 r90 top
J23 "5004" TestPoint 12955,11175 r90 top
J24 "5004" TestPoint 9165,11175 r90 top
J25 "5004" TestPoint 9395,11175 r90 top
J26 "5004" TestPoint 9625,11175 r90 top
J27 "5004" TestPoint 9855,11175 r90 top
J28 "5004" TestPoint 10085,11175 r90 top
J29 "5004" TestPoint 10315,11175 r90 top
J30 "5004" TestPoint 7645,11175 r90 top
J31 "142-0701-851" SMA_SMD 10910,11970 r0 top
J32 "142-0701-851" SMA_SMD 9185,11970 r0 top
J33 "142-0701-851" SMA_SMD 8035,11970 r0 top
J34 "5004" TestPoint 7085,12990 r90 top
L1 "Inductor" 0402 16905,4850 r0 top
L1_1 "Inductor" 0402 3250,3215 r90 bottom (schematic designator L1)
L2 "Inductor" 0402 7990,1165 r0 top
L2_1 "Inductor" 0402 4575,3530 r90 bottom (schematic designator L2)
L3 "Inductor" 0402 8810,3120 r0 top
L3_1 "Inductor" 0402 3600,2790 r90 bottom (schematic designator L3)
L4 "FP3-8R2-R" FLAT-PAC 23120,11045 r0 top
M1 "AG9205S" AG9205S 12270,5110 r90 top
P1 "Header 2" HDR1X2 8970,9240 r90 top
P2 "Header 2" HDR1X2 9130,9240 r90 top
P3 "Header 2" HDR1X2 9300,9240 r90 top
P4 "Header 2" HDR1X2 15375,4715 r90 top
P5 "Header 2" HDR1X2 14355,1605 r90 top
P6 "Header 2" HDR1X2 14190,3565 r90 top
P7 "Header 2" HDR1X2 24515,7095 r90 top
P8 "Header 8X2" HDR2X8 7205,7520 r90 top
P9 "Header 4X2" HDR2X4 9865,9925 r90 top
P10 "Header 6X2" HDR2X6 8105,9665 r90 top
P11 "Header 2" HDR1X2 16980,11525 r90 top
P12 "Header 3" HDR1X3 10705,11425 r90 top
P13 "Header 3" HDR1X3 7105,11425 r90 top
P13_1 "Header 3" HDR1X3 6570,3255 r90 top (schematic designator P13)
P14 "Header 2" HDR1X2 19665,11055 r90 top
P15 "Header 2" HDR1X2 19145,11055 r90 top
P16 "Header 3" HDR1X3 16915,10955 r90 top
P17 "Header 2" HDR1X2 13210,11055 r90 top
P18 "Header 2" HDR1X2 13430,11055 r90 top
P19 "Header 2" HDR1X2 10565,11055 r90 top
P20 "Header 2" HDR1X2 10790,11055 r90 top
P21 "Header 2" HDR1X2 12345,12170 r90 top
Q1 "MMBT2222A" SOT23-3N 16230,11125 r0 top
Q2 "MMBT2222A" SOT23-3N 13675,11125 r0 top
R1 "Res3" 0402 7260,9375 r0 top
R1_1 "Res3" 0402 4005,4190 r0 bottom (schematic designator R1)
R2 "Res3" 0402 12120,1740 r0 top
R2_1 "Res3" 0402 5505,3680 r0 bottom (schematic designator R2)
R3 "Res3" 0402 10830,1740 r0 top
R3_1 "Res3" 0402 5435,3570 r0 bottom (schematic designator R3)
R4 "Res3" 0402 11000,1740 r0 top
R4_1 "Res3" 0402 5765,3405 r90 bottom (schematic designator R4)
R5 "Res3" 0402 11170,1740 r0 top
R5_1 "Res3" 0402 5555,3405 r90 bottom (schematic designator R5)
R6 "Res3" 0402 11340,1740 r0 top
R6_1 "Res3" 0402 5695,3405 r90 bottom (schematic designator R6)
R7 "Res3" 0402 11510,1740 r0 top
R7_1 "Res3" 0402 5625,3405 r90 bottom (schematic designator R7)
R8 "Res3" 0402 8960,1740 r0 top
R9 "Res3" 0402 7530,1740 r0 top
R9_1 "Res3" 0402 5650,2250 r90 bottom (schematic designator R9)
R10 "Res3" 0402 11700,3680 r90 top
R11 "Res3" 0402 11920,3680 r90 top
R11_1 "Res3" 0402 5720,2250 r270 bottom (schematic designator R11)
R12 "Res3" 0402 10590,3680 r90 top
R12_1 "Res3" 0402 5760,2380 r0 bottom (schematic designator R12)
R13 "Res3" 0402 10810,3680 r90 top
R13_1 "Res3" 0402 5760,2440 r0 bottom (schematic designator R13)
R14 "Res3" 0402 11030,3680 r90 top
R14_1 "Res3" 0402 5760,2510 r0 bottom (schematic designator R14)
R15 "Res3" 0402 11250,3680 r90 top
R15_1 "Res3" 0402 5760,2570 r0 bottom (schematic designator R15)
R16 "Res3" 0402 7520,3680 r90 top
R16_1 "Res3" 0402 2985,2415 r90 top (schematic designator R16)
R17 "Res3" 0402 7300,3680 r90 top
R17_1 "Res3" 0402 3065,2420 r270 top (schematic designator R17)
R18 "Res3" 0402 22265,7210 r90 top
R18_1 "Res3" 0402 3005,3060 r270 top (schematic designator R18)
R19 "Res3" 0402 22485,7210 r90 top
R20 "Res3" 0402 22035,7210 r90 top
R21 "Res3" 0402 21820,7210 r90 top
R21_1 "Res3" 0402 2965,3060 r270 top (schematic designator R21)
R22 "Res3" 0402 21590,7210 r90 top
R22_1 "Res3" 0402 2885,3140 r0 top (schematic designator R22)
R23 "Res3" 0402 21360,7210 r90 top
R23_1 "Res3" 0402 2905,3070 r270 top (schematic designator R23)
R24 "Res3" 0402 20700,7210 r90 top
R24_1 "Res3" 0402 2885,2440 r0 top (schematic designator R24)
R25 "Res3" 0402 20470,7210 r90 top
R25_1 "Res3" 0402 3245,2560 r270 top (schematic designator R25)
R26 "Res3" 0402 20010,7210 r90 top
R26_1 "Res3" 0402 3305,2740 r180 top (schematic designator R26)
R27 "Res3" 0402 20240,7210 r90 top
R27_1 "Res3" 0402 2665,2660 r0 top (schematic designator R27)
R28 "Res3" 0402 19780,7210 r90 top
R28_1 "Res3" 0402 3305,2700 r180 top (schematic designator R28)
R29 "Res3" 0402 19090,7210 r90 top
R29_1 "Res3" 0402 3220,2840 r270 top (schematic designator R29)
R30 "Res3" 0402 19320,7210 r90 top
R30_1 "Res3" 0402 2665,2740 r0 top (schematic designator R30)
R31 "Res3" 0402 18880,7210 r90 top
R31_1 "Res3" 0402 2845,2480 r180 top (schematic designator R31)
R32 "Res3" 0402 18650,7210 r90 top
R32_1 "Res3" 0402 2805,3050 r0 top (schematic designator R32)
R33 "Res3" 0402 18420,7210 r90 top
R33_1 "Res3" 0402 2805,3010 r0 top (schematic designator R33)
R34 "Res3" 0402 18190,7210 r90 top
R34_1 "Res3" 0402 2665.32,2780 r180 top (schematic designator R34)
R35 "Res3" 0402 17730,7210 r90 top
R35_1 "Res3" 0402 3145,2980 r180 top (schematic designator R35)
R36 "Res3" 0402 17960,7210 r90 top
R36_1 "Res3" 0402 2665.32,2980 r180 top (schematic designator R36)
R37 "Res3" 0402 17500,7210 r90 top
R37_1 "Res3" 0402 2555,3005 r90 top (schematic designator R37)
R38 "Res3" 0402 17270,7210 r90 top
R38_1 "Res3" 0402 2560,2835 r270 top (schematic designator R38)
R39 "Res3" 0402 17040,7210 r90 top
R39_1 "Res3" 0402 2665.32,2860 r180 top (schematic designator R39)
R40 "Res3" 0402 16810,7210 r90 top
R40_1 "Res3" 0402 2580,2900 r180 top (schematic designator R40)
R41 "Res3" 0402 16600,7210 r90 top
R41_1 "Res3" 0402 2665.32,2820 r180 top (schematic designator R41)
R42 "Res3" 0402 16140,7210 r90 top
R42_1 "Res3" 0402 2665,2620 r0 top (schematic designator R42)
R43 "Res3" 0402 15910,7210 r90 top
R43_1 "Res3" 0402 2580,2940 r180 top (schematic designator R43)
R44 "Res3" J1-0603 11225,7200 r90 top
R44_1 "Res3" J1-0603 2305,2280 r90 top (schematic designator R44)
R45 "Res3" 0402 10485,7210 r90 top
R45_1 "Res3" 0402 3490,2125 r0 top (schematic designator R45)
R46 "Res3" 0402 10715,7210 r90 top
R46_1 "Res3" 0402 4927.56,2515 r0 bottom (schematic designator R46)
R47 "Res3" 0402 9895,7210 r90 top
R47_1 "Res3" 0402 4927.56,2575 r0 bottom (schematic designator R47)
R48 "Res3" 0402 8180,7210 r90 top
R48_1 "Res3" 0402 4927.56,2635 r0 bottom (schematic designator R48)
R49 "Res3" 0402 7740,7210 r90 top
R49_1 "Res3" 0402 4927.56,2695 r0 bottom (schematic designator R49)
R50 "Res3" 0402 7510,7210 r90 top
R50_1 "Res3" 0402 4927.56,2815 r0 bottom (schematic designator R50)
R51 "Res3" 0402 7300,7210 r90 top
R51_1 "Res3" 0402 4927.56,2875 r0 bottom (schematic designator R51)
R52 "Res3" 0402 7070,7210 r90 top
R52_1 "Res3" 0402 4927.56,2935 r0 bottom (schematic designator R52)
R53 "Res3" 0402 11595,8325 r90 top
R53_1 "Res3" 0402 4085,1585 r0 top (schematic designator R53)
R54 "Res3" 0402 11825,8325 r90 top
R54_1 "Res3" 0402 3440,1580 r180 top (schematic designator R54)
R55 "Res3" 0402 12055,8325 r90 top
R55_1 "Res3" 0402 4015,2125 r180 top (schematic designator R55)
R56 "Res3" 0402 12285,8325 r90 top
R57 "Res3" 0402 10025,8325 r90 top
R58 "Res3" 0402 9520,8325 r90 top
R59 "Res3" 0402 9285,8325 r90 top
R60 "Res3" 0402 9055,8325 r90 top
R61 "Res3" 0402 8570,8325 r90 top
R62 "Res3" 0402 8340,8325 r90 top
R63 "Res3" 0402 8110,8325 r90 top
R64 "Res3" 0402 7605,8325 r90 top
R64_1 "Res3" 0402 4927.56,2995 r0 bottom (schematic designator R64)
R65 "Res3" 0402 11085,10290 r90 top
R65_1 "Res3" 0402 3200,1765 r270 bottom (schematic designator R65)
R66 "Res3" 0402 10255,10290 r90 top
R66_1 "Res3" 0402 3135,1610 r0 bottom (schematic designator R66)
R67 "Res3" 0402 9500,10290 r90 top
R67_1 "Res3" 0402 5600,3930 r270 top (schematic designator R67)
R68 "Res3" 0402 9270,10290 r90 top
R68_1 "Res3" 0402 5245,3930 r90 top (schematic designator R68)
R69 "Res3" 0402 9035,10290 r90 top
R69_1 "Res3" 0402 4245,2315 r90 top (schematic designator R69)
R70 "Res3" 0402 7740,10290 r90 top
R70_1 "Res3" 0402 5545,3930 r270 top (schematic designator R70)
R71 "Res3" 0402 7530,10290 r90 top
R71_1 "Res3" 0402 5500,3930 r90 top (schematic designator R71)
R72 "Res3" 0402 7300,10290 r90 top
R72_1 "Res3" 0402 5345,3930 r270 top (schematic designator R72)
R73 "Res3" 0402 7070,10290 r90 top
R73_1 "Res3" 0402 5195,3930 r90 top (schematic designator R73)
R74 "Res3" 0402 18185,11640 r90 top
R74_1 "Res3" 0402 6570,2920 r0 top (schematic designator R74)
R75 "Res3" 0402 17145,11640 r90 top
R75_1 "Res3" 0402 3625,2600 r270 top (schematic designator R75)
R76 "Res3" 0402 13025,11640 r90 top
R76_1 "Res3" 0402 6000,3230 r0 top (schematic designator R76)
R77 "Res3" 0402 11955,11640 r90 top
R77_1 "Res3" 0402 6000,3280 r180 top (schematic designator R77)
R78 "Res3" 0402 11445,11640 r90 top
R78_1 "Res3" 0402 1990,3450 r270 top (schematic designator R78)
R79 "Res3" 0402 7730,11640 r90 top
R79_1 "Res3" 0402 6570,2960 r0 top (schematic designator R79)
R80 "Res3" 0402 7290,11640 r90 top
R80_1 "Res3" 0402 6470,2835 r0 top (schematic designator R80)
R81 "Res3" 0402 7520,11640 r90 top
R82 "Res3" 0402 9225,13625 r90 top
R82_1 "Res3" 0402 2125,3365 r270 top (schematic designator R82)
R83 "Res3" 0402 7750,13625 r90 top
R83_1 "Res3" 0402 2055,3365 r90 top (schematic designator R83)
R84 "Res3" 0402 7070,13625 r90 top
R85 "Res3" 0402 18220,11170 r90 top
R86 "Res3" 0402 18450,11170 r90 top
R87 "Res3" 0402 14280,11170 r90 top
R88 "Res3" 0402 14050,11170 r90 top
R89 "Res3" 0402 10980,11170 r90 top
R90 "Res3" 0402 8920,11170 r90 top
R91 "Res3" 0402 10000,12285 r90 top
R92 "Res3" 0402 8540,12285 r90 top
SW1 "Switch 4-lead" KSC403 9845,8180 r90 top
SW1_1 "Switch 4-lead" KSC403 3565,1980 r0 top (schematic designator SW1)
SW2 "Switch 4-lead" KSC403 8880,8180 r90 top
SW2_1 "Switch 4-lead" KSC403 3965,1980 r0 top (schematic designator SW2)
SW3 "Switch 4-lead" KSC403 7930,8180 r90 top
SW3_1 "Switch 4-lead" KSC403 3565,1730 r180 top (schematic designator SW3)
SW4 "Switch 4-lead" KSC403 7425,8180 r90 top
SW4_1 "Switch 4-lead" KSC403 3965,1730 r180 top (schematic designator SW4)
SW5 "Switch 4-lead" "EVQPA PB" 10855,10205 r0 top
SW5_1 "Switch 4-lead" "EVQPA PB" 3135,1700 r180 top (schematic designator SW5)
SW6 "STS1400PC04" STS1400PC04 19440,10655 r90 top
U1 "A2F500M3G-FGG484" BGA100P22X22-484N 4150,2915 r0 top
U2 "MT45W8MW16BGX-701 IT TR" BGA54C75P9X6_1000X800X70 8700,9185 r0 top
U2_1 "MT45W8MW16BGX-701 IT TR" BGA54C75P9X6_1000X800X70 4115,3910 r180 bottom (schematic designator U2)
U3 "S29GL064N90TFI010" TSSOP50P2000X120-56N 4145,3940 r0 top
U4 "MAX6061AEUR+T" SOT23-3N 13025,1675 r0 top
U4_1 "MAX6061AEUR+T" SOT23-3N 5575,3570 r90 bottom (schematic designator U4)
U5 "AD9288BSTZ-100" TSQFP50P900X900X160-48N 2985,2740 r180 top
U6 "MAX6061AEUR+T" SOT23-3N 12415,3635 r0 top
U6_1 "MAX6061AEUR+T" SOT23-3N 5600,2095 r270 bottom (schematic designator U6)
U7 "MAX5189BEEI+" SOP63P600X173-28N 5180,2400 r180 top
U8 "KSZ8721CL" TSQFP50P900X900X160-48N 5330,3080 r180 top
U9 "SN74LVC1G04DBVR" SOT23-5 8035,7175 r0 top
U10 "MAX2831ETM+" TQFN-48 6200,2950 r90 top
U11 "ADC081S101" SOT23-6 9775,11600 r0 top
U12 "FT232RL" SSOP65P780X200-28N 2385,3335 r180 top
U13 "LT1117CST-3.3#PBF" SOT223-4L 25235,11070 r0 top
U14 "TPS78918DBVR" SOT23-5 22875,11135 r0 top
U14_1 "TPS78918DBVR" SOT23-5 3555,1830 r180 bottom (schematic designator U14)
U15 "TPS73115DBVT" SOT23-5 18955,11135 r0 top
U16 "TL7702AIDR" SOIC127P600X175-8N 12725,11090 r0 top
U17 "REG102NA-2.85/250" SOT23-5 8765,11135 r0 top
U18 "AS213-92LF" SOT363-6N 10545,12260 r0 top
U19 "HHM1520A2" HHM1520A2 8800,12280 r0 top
U20 "74AUP1GU04" SOT353-5N 8360,12260 r0 top
U20_1 "74AUP1GU04" SOT353-5N 2255,2040 r90 top (schematic designator U20)
U21 "HHM1520A2" HHM1520A2 7380,12280 r0 top
U22 "PCF2127A" SOIC127P1030X265-20N 2045,5435 r180 top
Y1 "ABM3-20.000MHZ-B2-T" ABM3 8425,3015 r90 top
Y1_1 "ABM3-20.000MHZ-B2-T" ABM3 4550,2320 r0 bottom (schematic designator Y1)
Y2 "CB3LV-3C-50M0000" CB3_CB3LV 10270,7120 r0 top
Y2_1 "CB3LV-3C-50M0000" CB3_CB3LV 4790,2505 r90 bottom (schematic designator Y2)
Y3 "CX2520SB40000H0DZF08" CX-2520SB 9980,11630 r0 top
Y3_1 "CX2520SB40000H0DZF08" CX-2520SB 3980,1855 r180 bottom (schematic designator Y3)

## Footprints (in the part's own frame and the unit in brackets; to place one, negate y for a bottom-side part, rotate by r counter-clockwise, add the part's x,y. Pads: shape width x height; smd on the part's side, far side on the other; paste and mask are expansions set on the pad)
0402 [mm] "Chip Capacitor, Body 1.0x0.5mm, IPC High Density"
  rect 0.6x0.5 smd: 1(-0.5,0) 2(0.5,0)
  body extent -0.55,-0.3 0.55,0.3, height 1.3
1608[0603] [mm] "Chip Capacitor, Body 1.6x0.8mm, IPC High Density"
  rect 0.8x0.9 smd: 1(-0.7,0) 2(0.7,0)
  body extent -0.87,-0.48 0.87,0.48, height 1.3
3002TR [mm] "Coin battery holder 20mm (dia)"
  rect 3.96x3.96 smd: neg(0,0)
  rect 5.08x5.08 smd: pos(-12.825,0) pos(12.825,0)
  silkscreen extent -10.29,-10.75 10.29,9.12
7499211121A [mm] "RJ45 PoE"
  round 1.25 hole 0.9: 1(11.43,-8.89) 2(10.16,-6.35) 3(8.89,-8.89) 4(7.62,-6.35) 5(6.35,-8.89) 6(5.08,-6.35) 7(3.81,-8.89) 8(2.54,-6.35) 9(1.27,-8.89) 10(0,-6.35)
  round 1.45 hole 1.02: 11(12.345,4.08) 12(9.805,4.08) 13(1.625,4.08) 14(-0.915,4.08)
  round 2.2 hole 1.6: 15(13.46,-3.05) 16(-2.03,-3.05)
  round 0 hole 3.25: ""(0,0) ""(11.43,0)
ABM3 [mm] "ABM3 Crystal"
  rect 1.9x2.4 smd: 1(-2.05,0) 2(2.05,0)
  silkscreen extent -2.5,-1.6 2.5,1.6, body extent -2.75,-1.38 2.75,1.38, height 1.5
AG9205S [mm] "AG9205S 5V POE"
  rect 1.1x1.1 hole 0.85 square: 1(0,0)
  round 1.1 hole 0.85: 2(2.54,0) 3(5.08,0) 4(7.62,0) 5(10.16,0) 6(12.7,0) 7(43.18,0) 8(45.72,0) 9(48.26,0) 10(50.8,0)
  silkscreen extent -1.8,-11 54.2,7
BGA54C75P9X6_1000X800X70 [mm] "BGA, 54-Leads, Body 10.0x8.0mm,  Pitch 0.75mm"
  round 0.3 smd: A1(-1.875,3) A2(-1.125,3) A3(-0.375,3) A4(0.375,3) A5(1.125,3) A6(1.875,3) B1(-1.875,2.25) B2(-1.125,2.25) B3(-0.375,2.25) B4(0.375,2.25) B5(1.125,2.25) B6(1.875,2.25) C1(-1.875,1.5) C2(-1.125,1.5) C3(-0.375,1.5) C4(0.375,1.5) C5(1.125,1.5) C6(1.875,1.5) D1(-1.875,0.75) D2(-1.125,0.75) D3(-0.375,0.75) D4(0.375,0.75) D5(1.125,0.75) D6(1.875,0.75) E1(-1.875,0) E2(-1.125,0) E3(-0.375,0) E4(0.375,0) E5(1.125,0) E6(1.875,0) F1(-1.875,-0.75) F2(-1.125,-0.75) F3(-0.375,-0.75) F4(0.375,-0.75) F5(1.125,-0.75) F6(1.875,-0.75) G1(-1.875,-1.5) G2(-1.125,-1.5) G3(-0.375,-1.5) G4(0.375,-1.5) G5(1.125,-1.5) G6(1.875,-1.5) H1(-1.875,-2.25) H2(-1.125,-2.25) H3(-0.375,-2.25) H4(0.375,-2.25) H5(1.125,-2.25) H6(1.875,-2.25) J1(-1.875,-3) J2(-1.125,-3) J3(-0.375,-3) J4(0.375,-3) J5(1.125,-3) J6(1.875,-3)
  silkscreen extent -4.77,-5 4,5, body extent -4,-5 4,5, height 0.7